# Altium PCB ESP32_Demo.PcbDoc (part 5 of 7)
Units mil, origin at the board's own origin, x right, y up, seen from the top; angles counter-clockwise.
Board outline 940.03 x 1085.03 mil, 4 copper layers (TOP1, GND02, MidLayer3, BOTTOM4); 39 components, 58 nets, 242 pads, 201 vias.
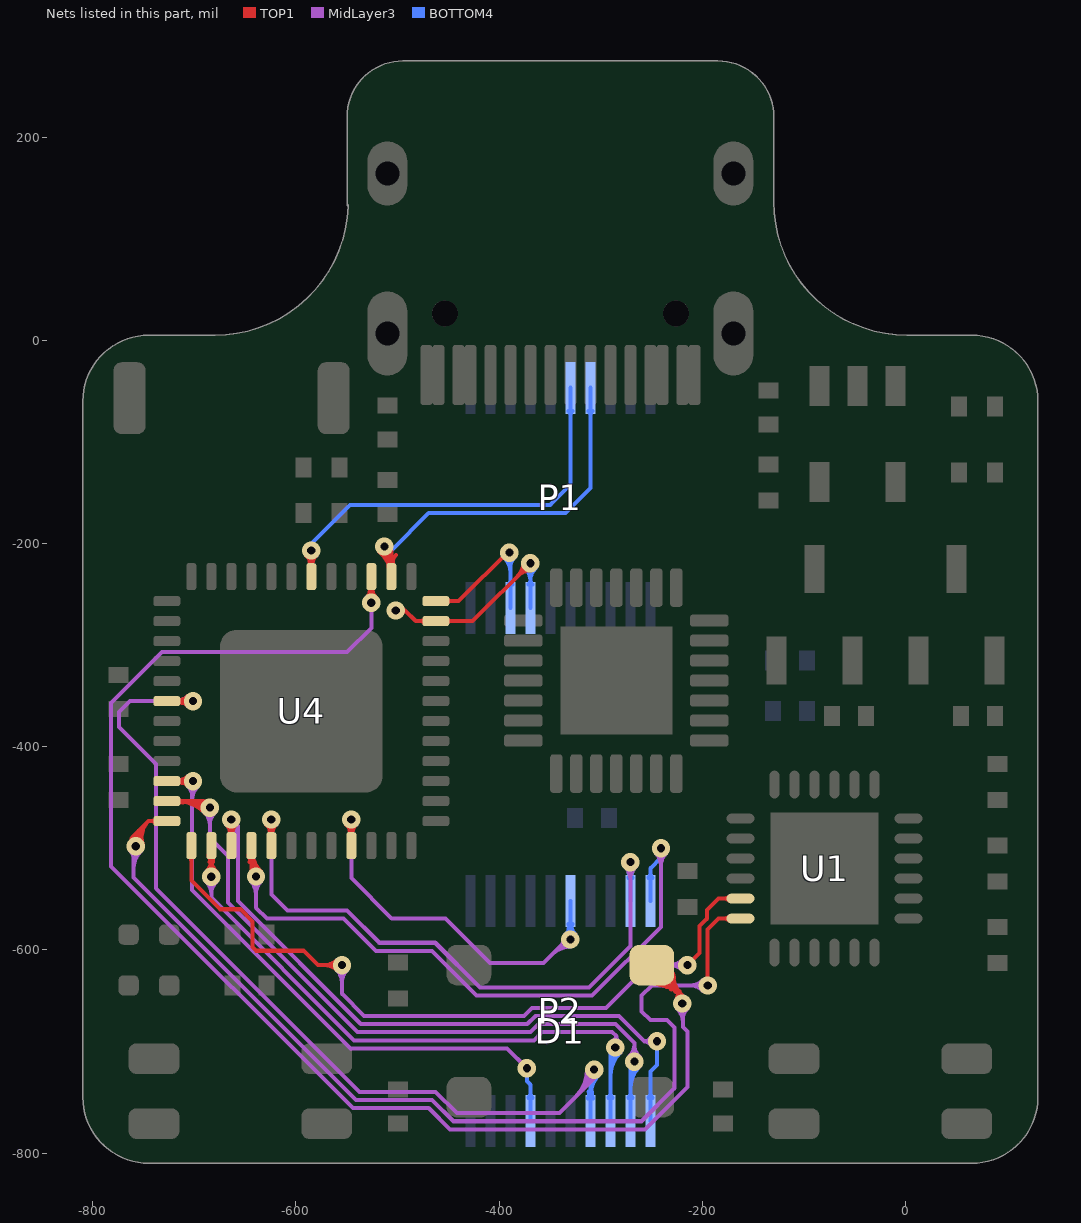
[diagram p7: the nets of this part, all layers, seen from the top]

## Via types
v1: diameter 18, hole 8, TOP1 to BOTTOM4, tented both sides, 201 vias

## Nets (pads, with @x,y where several pads share a name; then routed paths per layer and width w, separated by ;. In a path a pad name is that pad's centre, name@x,y a point inside that pad or via, vN(x,y) a via of type N, cw(c..) or ccw(c..) an arc to the next point about the centre after c; other vN are vias at no path point) (continued)
GPIO14: P2.19 U4.17 | length 907.2
  TOP1 w4: v1@-629.25,-476.54 cw(c-641.2,-488.49) -624.3,-488.49 cw(c-607.4,-488.49) v1@-619.35,-476.54 ; U4.17@-626.37,-486.95 ccw(c-631.35,-481.96) -624.3,-481.96 ccw(c-617.25,-481.96) U4.17@-622.23,-486.95 ; -625.91,-482.48 ccw(c-619.54,-480.78) U4.17@-622.84,-486.49 ; U4.17@-624.3,-497.38 v1(-624.3,-471.59) ; -622.69,-482.48 cw(c-629.06,-480.78) U4.17@-625.76,-486.49 ; U4.17@-625.76,-486.49 ccw(c-628.52,-481.7) -623.19,-483.13 ; U4.17@-625.76,-486.49 ccw(c-628.52,-481.7) -623.19,-483.13 ; U4.17@-625.76,-486.49 ccw(c-628.52,-481.7) -623.19,-483.13 ; U4.17@-625.76,-486.49 ccw(c-628.52,-481.7) -623.19,-483.13 ; U4.17@-625.76,-486.49 ccw(c-628.52,-481.7) -623.19,-483.13 ; U4.17@-625.76,-486.49 ccw(c-628.52,-481.7) -623.19,-483.13 ; U4.17@-625.76,-486.49 ccw(c-628.52,-481.7) -623.19,-483.13 ; U4.17@-625.76,-486.49 ccw(c-628.52,-481.7) -623.19,-483.13 ; U4.17@-625.76,-486.49 ccw(c-628.52,-481.7) -623.19,-483.13 ; -625.41,-483.13 ccw(c-620.08,-481.7) U4.17@-622.84,-486.49 ; -625.41,-483.13 ccw(c-620.08,-481.7) U4.17@-622.84,-486.49 ; -625.41,-483.13 ccw(c-620.08,-481.7) U4.17@-622.84,-486.49 ; -625.41,-483.13 ccw(c-620.08,-481.7) U4.17@-622.84,-486.49 ; -625.41,-483.13 ccw(c-620.08,-481.7) U4.17@-622.84,-486.49 ; -625.41,-483.13 ccw(c-620.08,-481.7) U4.17@-622.84,-486.49 ; -625.41,-483.13 ccw(c-620.08,-481.7) U4.17@-622.84,-486.49 ; -625.41,-483.13 ccw(c-620.08,-481.7) U4.17@-622.84,-486.49 ; -625.41,-483.13 ccw(c-620.08,-481.7) U4.17@-622.84,-486.49
  MidLayer3 w4: v1(-624.3,-471.59) -624.3,-545.47 -608.46,-561.31 -549.73,-561.31 -518.04,-593 -462.94,-593 -418.94,-637 -311.77,-637 -270.87,-596.1 v1(-270.87,-513.64) ; v1@-275.82,-518.59 cw(c-287.77,-530.54) -270.87,-530.54 cw(c-253.98,-530.54) v1@-265.92,-518.59
  BOTTOM4 w4: v1@-275.82,-518.59 cw(c-287.77,-530.54) -270.87,-530.54 cw(c-253.98,-530.54) v1@-265.92,-518.59 ; P2.19@-272.94,-529 ccw(c-277.93,-524.01) -270.87,-524.01 ccw(c-263.82,-524.01) P2.19@-268.81,-529 ; -272.49,-524.53 ccw(c-266.12,-522.82) P2.19@-269.41,-528.53 ; P2.19@-270.87,-551.73 v1(-270.87,-513.64) ; -269.26,-524.53 cw(c-275.63,-522.82) P2.19@-272.34,-528.53 ; P2.19@-272.34,-528.53 ccw(c-275.1,-523.75) -269.76,-525.18 ; P2.19@-272.34,-528.53 ccw(c-275.1,-523.75) -269.76,-525.18 ; P2.19@-272.34,-528.53 ccw(c-275.1,-523.75) -269.76,-525.18 ; P2.19@-272.34,-528.53 ccw(c-275.1,-523.75) -269.76,-525.18 ; P2.19@-272.34,-528.53 ccw(c-275.1,-523.75) -269.76,-525.18 ; P2.19@-272.34,-528.53 ccw(c-275.1,-523.75) -269.76,-525.18 ; P2.19@-272.34,-528.53 ccw(c-275.1,-523.75) -269.76,-525.18 ; P2.19@-272.34,-528.53 ccw(c-275.1,-523.75) -269.76,-525.18 ; P2.19@-272.34,-528.53 ccw(c-275.1,-523.75) -269.76,-525.18 ; -271.99,-525.18 ccw(c-266.65,-523.75) P2.19@-269.41,-528.53 ; -271.99,-525.18 ccw(c-266.65,-523.75) P2.19@-269.41,-528.53 ; -271.99,-525.18 ccw(c-266.65,-523.75) P2.19@-269.41,-528.53 ; -271.99,-525.18 ccw(c-266.65,-523.75) P2.19@-269.41,-528.53 ; -271.99,-525.18 ccw(c-266.65,-523.75) P2.19@-269.41,-528.53 ; -271.99,-525.18 ccw(c-266.65,-523.75) P2.19@-269.41,-528.53 ; -271.99,-525.18 ccw(c-266.65,-523.75) P2.19@-269.41,-528.53 ; -271.99,-525.18 ccw(c-266.65,-523.75) P2.19@-269.41,-528.53 ; -271.99,-525.18 ccw(c-266.65,-523.75) P2.19@-269.41,-528.53
GPIO15: P2.16 U4.21 | length 672.2
  TOP1 w4: v1@-550.51,-476.54 cw(c-562.46,-488.49) -545.56,-488.49 cw(c-528.66,-488.49) v1@-540.61,-476.54 ; U4.21@-547.63,-486.95 ccw(c-552.61,-481.96) -545.56,-481.96 ccw(c-538.51,-481.96) U4.21@-543.49,-486.95 ; -547.17,-482.48 ccw(c-540.8,-480.78) U4.21@-544.1,-486.49 ; U4.21@-545.56,-497.38 v1(-545.56,-471.59) ; -543.95,-482.48 cw(c-550.32,-480.78) U4.21@-547.02,-486.49 ; U4.21@-547.02,-486.49 ccw(c-549.78,-481.7) -544.45,-483.13 ; U4.21@-547.02,-486.49 ccw(c-549.78,-481.7) -544.45,-483.13 ; U4.21@-547.02,-486.49 ccw(c-549.78,-481.7) -544.45,-483.13 ; U4.21@-547.02,-486.49 ccw(c-549.78,-481.7) -544.45,-483.13 ; U4.21@-547.02,-486.49 ccw(c-549.78,-481.7) -544.45,-483.13 ; U4.21@-547.02,-486.49 ccw(c-549.78,-481.7) -544.45,-483.13 ; U4.21@-547.02,-486.49 ccw(c-549.78,-481.7) -544.45,-483.13 ; U4.21@-547.02,-486.49 ccw(c-549.78,-481.7) -544.45,-483.13 ; U4.21@-547.02,-486.49 ccw(c-549.78,-481.7) -544.45,-483.13 ; -546.67,-483.13 ccw(c-541.34,-481.7) U4.21@-544.1,-486.49 ; -546.67,-483.13 ccw(c-541.34,-481.7) U4.21@-544.1,-486.49 ; -546.67,-483.13 ccw(c-541.34,-481.7) U4.21@-544.1,-486.49 ; -546.67,-483.13 ccw(c-541.34,-481.7) U4.21@-544.1,-486.49 ; -546.67,-483.13 ccw(c-541.34,-481.7) U4.21@-544.1,-486.49 ; -546.67,-483.13 ccw(c-541.34,-481.7) U4.21@-544.1,-486.49 ; -546.67,-483.13 ccw(c-541.34,-481.7) U4.21@-544.1,-486.49 ; -546.67,-483.13 ccw(c-541.34,-481.7) U4.21@-544.1,-486.49 ; -546.67,-483.13 ccw(c-541.34,-481.7) U4.21@-544.1,-486.49
  MidLayer3 w4: v1(-545.56,-471.59) -545.56,-529.21 -505.77,-569 -453,-569 -409,-613 -356.46,-613 -333.28,-589.82 v1(-329.93,-589.82) ; -347.6,-604.14 cw(c-329.93,-621.81) v1@-329.93,-596.82 ; -340.77,-597.31 cw(c-329.93,-608.16) v1@-329.93,-592.82 ; -339.51,-596.05 ccw(c-345.74,-589.82) v1@-336.93,-589.82
  BOTTOM4 w4: v1@-334.88,-584.87 ccw(c-346.83,-572.92) -329.93,-572.92 ccw(c-313.03,-572.92) v1@-324.98,-584.87 ; P2.16@-332,-574.47 cw(c-336.98,-579.45) -329.93,-579.45 cw(c-322.88,-579.45) P2.16@-327.86,-574.47 ; -331.54,-578.93 cw(c-325.17,-580.64) P2.16@-328.47,-574.93 ; v1(-329.93,-589.82) P2.16@-329.93,-551.73 ; -328.32,-578.93 ccw(c-334.69,-580.64) P2.16@-331.39,-574.93 ; P2.16@-331.39,-574.93 cw(c-334.15,-579.72) -328.82,-578.29 ; P2.16@-331.39,-574.93 cw(c-334.15,-579.72) -328.82,-578.29 ; P2.16@-331.39,-574.93 cw(c-334.15,-579.72) -328.82,-578.29 ; P2.16@-331.39,-574.93 cw(c-334.15,-579.72) -328.82,-578.29 ; P2.16@-331.39,-574.93 cw(c-334.15,-579.72) -328.82,-578.29 ; P2.16@-331.39,-574.93 cw(c-334.15,-579.72) -328.82,-578.29 ; P2.16@-331.39,-574.93 cw(c-334.15,-579.72) -328.82,-578.29 ; P2.16@-331.39,-574.93 cw(c-334.15,-579.72) -328.82,-578.29 ; P2.16@-331.39,-574.93 cw(c-334.15,-579.72) -328.82,-578.29 ; -331.04,-578.29 cw(c-325.71,-579.72) P2.16@-328.47,-574.93 ; -331.04,-578.29 cw(c-325.71,-579.72) P2.16@-328.47,-574.93 ; -331.04,-578.29 cw(c-325.71,-579.72) P2.16@-328.47,-574.93 ; -331.04,-578.29 cw(c-325.71,-579.72) P2.16@-328.47,-574.93 ; -331.04,-578.29 cw(c-325.71,-579.72) P2.16@-328.47,-574.93 ; -331.04,-578.29 cw(c-325.71,-579.72) P2.16@-328.47,-574.93 ; -331.04,-578.29 cw(c-325.71,-579.72) P2.16@-328.47,-574.93 ; -331.04,-578.29 cw(c-325.71,-579.72) P2.16@-328.47,-574.93 ; -331.04,-578.29 cw(c-325.71,-579.72) P2.16@-328.47,-574.93
GPIO18: P1.7 U4.35 | length 463.6
  TOP1 w4: v1(-501.84,-266) -492.55,-266 ; v1@-495.12,-267.93 cw(c-492.55,-268.67) -492.55,-266 ; v1@-495.12,-264.07 ccw(c-492.55,-263.33) -492.55,-266 ; v1@-376.3,-219.53 cw(c-393.2,-219.53) -381.25,-231.48 cw(c-369.3,-243.43) v1@-369.3,-226.53 ; v1(-369.3,-219.53) -426.19,-276.42 U4.35@-462.39,-276.42 -482.13,-276.42 -492.55,-266 ; -477.81,-276.42 cw(c-477.81,-283.47) U4.35@-472.82,-278.48 ; -477.81,-276.42 ccw(c-477.81,-269.36) U4.35@-472.82,-274.35 ; -477.81,-276.42 cw(c-477.81,-283.47) U4.35@-472.82,-278.48 ; -477.81,-276.42 ccw(c-477.81,-269.36) U4.35@-472.82,-274.35 ; -477.81,-276.42 cw(c-477.81,-283.47) U4.35@-472.82,-278.48 ; -477.81,-276.42 ccw(c-477.81,-269.36) U4.35@-472.82,-274.35 ; -477.81,-276.42 cw(c-477.81,-283.47) U4.35@-472.82,-278.48 ; -477.81,-276.42 ccw(c-477.81,-269.36) U4.35@-472.82,-274.35 ; -477.81,-276.42 cw(c-477.81,-283.47) U4.35@-472.82,-278.48 ; -477.81,-276.42 ccw(c-477.81,-269.36) U4.35@-472.82,-274.35 ; -477.81,-276.42 ccw(c-477.81,-269.36) U4.35@-472.82,-274.35 ; -477.81,-276.42 cw(c-477.81,-283.47) U4.35@-472.82,-278.48 ; U4.35@-451.96,-278.48 cw(c-446.97,-283.47) -446.97,-276.42 ; U4.35@-451.96,-278.48 cw(c-446.97,-283.47) -446.97,-276.42 ; U4.35@-451.96,-278.48 cw(c-446.97,-283.47) -446.97,-276.42 ; U4.35@-451.96,-278.48 cw(c-446.97,-283.47) -446.97,-276.42 ; U4.35@-451.96,-278.48 cw(c-446.97,-283.47) -446.97,-276.42 ; U4.35@-451.96,-278.48 cw(c-446.97,-283.47) -446.97,-276.42 ; U4.35@-451.96,-274.35 ccw(c-446.97,-269.36) -446.97,-276.42 ; U4.35@-451.96,-274.35 ccw(c-446.97,-269.36) -446.97,-276.42 ; U4.35@-451.96,-274.35 ccw(c-446.97,-269.36) -446.97,-276.42 ; U4.35@-451.96,-274.35 ccw(c-446.97,-269.36) -446.97,-276.42 ; U4.35@-451.96,-274.35 ccw(c-446.97,-269.36) -446.97,-276.42 ; U4.35@-451.96,-274.35 ccw(c-446.97,-269.36) -446.97,-276.42
  BOTTOM4 w4: v1@-374.25,-224.48 cw(c-386.2,-236.43) -369.3,-236.43 cw(c-352.4,-236.43) v1@-364.35,-224.48 ; P1.7@-369.3,-263.27 v1(-369.3,-219.53) ; P1.7@-371.37,-240.53 ccw(c-376.35,-235.55) -369.3,-235.55 ; P1.7@-371.37,-240.53 ccw(c-376.35,-235.55) -369.3,-235.55 ; P1.7@-371.37,-240.53 ccw(c-376.35,-235.55) -369.3,-235.55 ; P1.7@-371.37,-240.53 ccw(c-376.35,-235.55) -369.3,-235.55 ; P1.7@-371.37,-240.53 ccw(c-376.35,-235.55) -369.3,-235.55 ; P1.7@-371.37,-240.53 ccw(c-376.35,-235.55) -369.3,-235.55 ; -369.3,-235.55 ccw(c-362.25,-235.55) P1.7@-367.23,-240.53 ; -369.3,-235.55 ccw(c-362.25,-235.55) P1.7@-367.23,-240.53 ; -369.3,-235.55 ccw(c-362.25,-235.55) P1.7@-367.23,-240.53 ; -369.3,-235.55 ccw(c-362.25,-235.55) P1.7@-367.23,-240.53 ; -369.3,-235.55 ccw(c-362.25,-235.55) P1.7@-367.23,-240.53 ; -369.3,-235.55 ccw(c-362.25,-235.55) P1.7@-367.23,-240.53
GPIO19: P1.17 U4.38 | length 842
  TOP1 w4: v1@-517.6,-208.27 cw(c-539.53,-233.39) U4.38@-506.19,-233.39 ; v1@-514.97,-205.26 cw(c-531.85,-224.59) U4.38@-506.19,-224.59 ; v1(-513,-203) -510.02,-203 -506.19,-206.83 U4.38@-506.19,-232.62 ; v1@-512.34,-202.25 cw(c-524.16,-215.79) -506.19,-215.79 ; -508.15,-217.26 ccw(c-501.05,-215.36) U4.38@-504.73,-221.72 ; -508.04,-217.66 cw(c-514.57,-219.41) U4.38@-508.72,-222.79 ; U4.38@-508.72,-222.79 ccw(c-516.15,-218.5) -507.86,-216.28 ; U4.38@-508.72,-222.79 ccw(c-516.15,-218.5) -507.86,-216.28 ; U4.38@-508.72,-222.79 ccw(c-516.15,-218.5) -507.86,-216.28 ; U4.38@-508.72,-222.79 ccw(c-516.15,-218.5) -507.86,-216.28 ; U4.38@-508.72,-222.79 ccw(c-516.15,-218.5) -507.86,-216.28 ; U4.38@-508.72,-222.79 ccw(c-516.15,-218.5) -507.86,-216.28 ; U4.38@-508.72,-222.79 ccw(c-516.15,-218.5) -507.86,-216.28 ; U4.38@-508.72,-222.79 ccw(c-516.15,-218.5) -507.86,-216.28 ; U4.38@-508.72,-222.79 ccw(c-516.15,-218.5) -507.86,-216.28 ; U4.38@-508.26,-222.19 ccw(c-513.24,-217.2) -506.19,-217.2 ; U4.38@-508.26,-222.19 ccw(c-513.24,-217.2) -506.19,-217.2 ; U4.38@-508.26,-222.19 ccw(c-513.24,-217.2) -506.19,-217.2 ; U4.38@-508.26,-222.19 ccw(c-513.24,-217.2) -506.19,-217.2 ; U4.38@-508.26,-222.19 ccw(c-513.24,-217.2) -506.19,-217.2 ; U4.38@-508.26,-222.19 ccw(c-513.24,-217.2) -506.19,-217.2 ; U4.38@-507.65,-221.72 ccw(c-510.41,-216.94) -505.08,-218.37 ; U4.38@-507.65,-221.72 ccw(c-510.41,-216.94) -505.08,-218.37 ; U4.38@-507.65,-221.72 ccw(c-510.41,-216.94) -505.08,-218.37 ; U4.38@-507.65,-221.72 ccw(c-510.41,-216.94) -505.08,-218.37 ; U4.38@-507.65,-221.72 ccw(c-510.41,-216.94) -505.08,-218.37 ; U4.38@-507.65,-221.72 ccw(c-510.41,-216.94) -505.08,-218.37 ; U4.38@-507.65,-221.72 ccw(c-510.41,-216.94) -505.08,-218.37 ; U4.38@-507.65,-221.72 ccw(c-510.41,-216.94) -505.08,-218.37 ; U4.38@-507.65,-221.72 ccw(c-510.41,-216.94) -505.08,-218.37 ; U4.38@-507.65,-221.72 ccw(c-510.41,-216.94) -505.08,-218.37 ; U4.38@-507.65,-221.72 ccw(c-510.41,-216.94) -505.08,-218.37 ; U4.38@-507.65,-221.72 ccw(c-510.41,-216.94) -505.08,-218.37 ; -507.3,-218.37 ccw(c-501.97,-216.94) U4.38@-504.73,-221.72 ; -507.3,-218.37 ccw(c-501.97,-216.94) U4.38@-504.73,-221.72 ; -507.3,-218.37 ccw(c-501.97,-216.94) U4.38@-504.73,-221.72 ; -507.3,-218.37 ccw(c-501.97,-216.94) U4.38@-504.73,-221.72 ; -507.3,-218.37 ccw(c-501.97,-216.94) U4.38@-504.73,-221.72 ; -507.3,-218.37 ccw(c-501.97,-216.94) U4.38@-504.73,-221.72 ; -507.3,-218.37 ccw(c-501.97,-216.94) U4.38@-504.73,-221.72 ; -507.3,-218.37 ccw(c-501.97,-216.94) U4.38@-504.73,-221.72 ; -507.3,-218.37 ccw(c-501.97,-216.94) U4.38@-504.73,-221.72 ; U4.38@-506.19,-222.52 cw(c-490.5,-222.52) -501.59,-211.43 ; U4.38@-506.19,-222.52 cw(c-490.5,-222.52) -501.59,-211.43 ; U4.38@-506.19,-222.52 cw(c-490.5,-222.52) -501.59,-211.43 ; -506.19,-217.2 ccw(c-499.14,-217.2) U4.38@-504.12,-222.19 ; -506.19,-217.2 ccw(c-499.14,-217.2) U4.38@-504.12,-222.19 ; -506.19,-217.2 ccw(c-499.14,-217.2) U4.38@-504.12,-222.19 ; -506.19,-217.2 ccw(c-499.14,-217.2) U4.38@-504.12,-222.19 ; -506.19,-217.2 ccw(c-499.14,-217.2) U4.38@-504.12,-222.19 ; -506.19,-217.2 ccw(c-499.14,-217.2) U4.38@-504.12,-222.19 ; -504.52,-216.28 ccw(c-496.23,-218.5) U4.38@-503.66,-222.79 ; -504.52,-216.28 ccw(c-496.23,-218.5) U4.38@-503.66,-222.79 ; -504.52,-216.28 ccw(c-496.23,-218.5) U4.38@-503.66,-222.79 ; -504.52,-216.28 ccw(c-496.23,-218.5) U4.38@-503.66,-222.79 ; -504.52,-216.28 ccw(c-496.23,-218.5) U4.38@-503.66,-222.79 ; -504.52,-216.28 ccw(c-496.23,-218.5) U4.38@-503.66,-222.79 ; -504.52,-216.28 ccw(c-496.23,-218.5) U4.38@-503.66,-222.79 ; -504.52,-216.28 ccw(c-496.23,-218.5) U4.38@-503.66,-222.79 ; -504.52,-216.28 ccw(c-496.23,-218.5) U4.38@-503.66,-222.79 ; -504.52,-216.28 ccw(c-496.23,-218.5) U4.38@-503.66,-222.79 ; -504.52,-216.28 ccw(c-496.23,-218.5) U4.38@-503.66,-222.79 ; -504.52,-216.28 ccw(c-496.23,-218.5) U4.38@-503.66,-222.79
  BOTTOM4 w4: v1(-513,-203) -510.02,-203 -506.19,-206.83 -469.36,-170 -334.77,-170 -310.24,-145.47 P1.17@-310.24,-46.73 ; P1.17@-312.31,-69.47 cw(c-317.3,-74.45) -310.24,-74.45 ; P1.17@-312.31,-69.47 cw(c-317.3,-74.45) -310.24,-74.45 ; P1.17@-312.31,-69.47 cw(c-317.3,-74.45) -310.24,-74.45 ; P1.17@-312.31,-69.47 cw(c-317.3,-74.45) -310.24,-74.45 ; P1.17@-312.31,-69.47 cw(c-317.3,-74.45) -310.24,-74.45 ; P1.17@-312.31,-69.47 cw(c-317.3,-74.45) -310.24,-74.45 ; -310.24,-74.45 cw(c-303.19,-74.45) P1.17@-308.18,-69.47 ; -310.24,-74.45 cw(c-303.19,-74.45) P1.17@-308.18,-69.47 ; -310.24,-74.45 cw(c-303.19,-74.45) P1.17@-308.18,-69.47 ; -310.24,-74.45 cw(c-303.19,-74.45) P1.17@-308.18,-69.47 ; -310.24,-74.45 cw(c-303.19,-74.45) P1.17@-308.18,-69.47 ; -310.24,-74.45 cw(c-303.19,-74.45) P1.17@-308.18,-69.47
GPIO21: P1.16 U4.42 | length 599.5
  TOP1 w4: v1@-589.88,-211.78 cw(c-601.83,-223.73) -584.93,-223.73 cw(c-568.03,-223.73) v1@-579.98,-211.78 ; U4.42@-587,-222.19 ccw(c-591.98,-217.2) -584.93,-217.2 ccw(c-577.88,-217.2) U4.42@-582.86,-222.19 ; -586.54,-217.72 ccw(c-580.17,-216.01) U4.42@-583.47,-221.72 ; U4.42@-584.93,-232.62 v1(-584.93,-206.83) ; -583.32,-217.72 cw(c-589.69,-216.01) U4.42@-586.39,-221.72 ; U4.42@-586.39,-221.72 ccw(c-589.15,-216.94) -583.82,-218.37 ; U4.42@-586.39,-221.72 ccw(c-589.15,-216.94) -583.82,-218.37 ; U4.42@-586.39,-221.72 ccw(c-589.15,-216.94) -583.82,-218.37 ; U4.42@-586.39,-221.72 ccw(c-589.15,-216.94) -583.82,-218.37 ; U4.42@-586.39,-221.72 ccw(c-589.15,-216.94) -583.82,-218.37 ; U4.42@-586.39,-221.72 ccw(c-589.15,-216.94) -583.82,-218.37 ; U4.42@-586.39,-221.72 ccw(c-589.15,-216.94) -583.82,-218.37 ; U4.42@-586.39,-221.72 ccw(c-589.15,-216.94) -583.82,-218.37 ; U4.42@-586.39,-221.72 ccw(c-589.15,-216.94) -583.82,-218.37 ; -586.04,-218.37 ccw(c-580.71,-216.94) U4.42@-583.47,-221.72 ; -586.04,-218.37 ccw(c-580.71,-216.94) U4.42@-583.47,-221.72 ; -586.04,-218.37 ccw(c-580.71,-216.94) U4.42@-583.47,-221.72 ; -586.04,-218.37 ccw(c-580.71,-216.94) U4.42@-583.47,-221.72 ; -586.04,-218.37 ccw(c-580.71,-216.94) U4.42@-583.47,-221.72 ; -586.04,-218.37 ccw(c-580.71,-216.94) U4.42@-583.47,-221.72 ; -586.04,-218.37 ccw(c-580.71,-216.94) U4.42@-583.47,-221.72 ; -586.04,-218.37 ccw(c-580.71,-216.94) U4.42@-583.47,-221.72 ; -586.04,-218.37 ccw(c-580.71,-216.94) U4.42@-583.47,-221.72
  BOTTOM4 w4: v1(-584.93,-206.83) -584.93,-200.16 -546.77,-162 -349.77,-162 -329.93,-142.16 P1.16@-329.93,-46.73 ; P1.16@-332,-69.47 cw(c-336.98,-74.45) -329.93,-74.45 ; P1.16@-332,-69.47 cw(c-336.98,-74.45) -329.93,-74.45 ; P1.16@-332,-69.47 cw(c-336.98,-74.45) -329.93,-74.45 ; P1.16@-332,-69.47 cw(c-336.98,-74.45) -329.93,-74.45 ; P1.16@-332,-69.47 cw(c-336.98,-74.45) -329.93,-74.45 ; P1.16@-332,-69.47 cw(c-336.98,-74.45) -329.93,-74.45 ; -329.93,-74.45 cw(c-322.88,-74.45) P1.16@-327.86,-69.47 ; -329.93,-74.45 cw(c-322.88,-74.45) P1.16@-327.86,-69.47 ; -329.93,-74.45 cw(c-322.88,-74.45) P1.16@-327.86,-69.47 ; -329.93,-74.45 cw(c-322.88,-74.45) P1.16@-327.86,-69.47 ; -329.93,-74.45 cw(c-322.88,-74.45) P1.16@-327.86,-69.47 ; -329.93,-74.45 cw(c-322.88,-74.45) P1.16@-327.86,-69.47
GPIO22: D1.4 U4.39 | length 2165.9
  TOP1 w4: v1@-530.82,-253.46 ccw(c-542.77,-241.51) -525.87,-241.51 ccw(c-508.98,-241.51) v1@-520.92,-253.46 ; U4.39@-527.94,-243.05 cw(c-532.93,-248.04) -525.87,-248.04 cw(c-518.82,-248.04) U4.39@-523.81,-243.05 ; -527.49,-247.52 cw(c-521.12,-249.22) U4.39@-524.41,-243.51 ; v1(-525.87,-258.41) U4.39@-525.87,-232.62 ; -524.26,-247.52 ccw(c-530.63,-249.22) U4.39@-527.34,-243.51 ; D1.4@-257.64,-616.61 ccw(c-235.4,-612.98) D1.4@-241.23,-634.75 ; D1.4@-253.69,-615.97 ccw(c-228.69,-611.89) -235.25,-636.36 ; D1.4@-249.77,-615 v1@-219.77,-645 ; D1.4@-249.75,-615.32 ccw(c-221.99,-610.8) -229.27,-637.96 ; D1.4@-247.97,-629 cw(c-248.33,-654.88) -226.07,-641.67 ; D1.4@-247.91,-625 cw(c-248.21,-646.5) -229.72,-635.53 ; D1.4@-247.82,-629 cw(c-247.89,-648.91) -230.64,-638.96 ; D1.4@-247.81,-625 cw(c-247.86,-640.86) D1.4@-234.12,-632.93 ; D1.4@-247.77,-633 cw(c-247.77,-671.63) v1@-220.46,-644.31 ; D1.4@-244.8,-609.79 cw(c-263.01,-641.72) -226.74,-635.75 ; D1.4@-242.82,-606.31 cw(c-257.66,-632.33) D1.4@-228.1,-627.47 ; D1.4@-241.89,-632.01 cw(c-238.34,-642.27) -229.01,-636.73 cw(c-212.4,-626.87) D1.4@-230.71,-620.73 ; D1.4@-240.79,-607.84 cw(c-265.39,-633.05) -230.17,-632.62 ; D1.4@-234.27,-618.7 ccw(c-211.58,-624.92) -231.96,-636.68 ; D1.4@-230.33,-619.45 ccw(c-204.92,-625.93) -227.47,-639.32 ; D1.4@-229.86,-616.78 ccw(c-195.01,-620.23) v1@-219.77,-645 ; -227.71,-639.14 cw(c-235.07,-649.44) v1@-222.7,-652.16 ; -226.36,-635.14 cw(c-237.6,-642.65) v1@-225.86,-649.34 ; -222.78,-642.66 cw(c-228.63,-650.85) v1@-218.8,-653.02 ; -222.77,-640.52 cw(c-231.31,-646.23) v1@-222.38,-651.32 ; v1(-219.77,-652.8) v1@-219.77,-645 ; U4.39@-527.34,-243.51 cw(c-530.1,-248.3) -524.76,-246.87 ; U4.39@-527.34,-243.51 cw(c-530.1,-248.3) -524.76,-246.87 ; U4.39@-527.34,-243.51 cw(c-530.1,-248.3) -524.76,-246.87 ; U4.39@-527.34,-243.51 cw(c-530.1,-248.3) -524.76,-246.87 ; U4.39@-527.34,-243.51 cw(c-530.1,-248.3) -524.76,-246.87 ; U4.39@-527.34,-243.51 cw(c-530.1,-248.3) -524.76,-246.87 ; U4.39@-527.34,-243.51 cw(c-530.1,-248.3) -524.76,-246.87 ; U4.39@-527.34,-243.51 cw(c-530.1,-248.3) -524.76,-246.87 ; U4.39@-527.34,-243.51 cw(c-530.1,-248.3) -524.76,-246.87 ; -526.99,-246.87 cw(c-521.65,-248.3) U4.39@-524.41,-243.51 ; -526.99,-246.87 cw(c-521.65,-248.3) U4.39@-524.41,-243.51 ; -526.99,-246.87 cw(c-521.65,-248.3) U4.39@-524.41,-243.51 ; -526.99,-246.87 cw(c-521.65,-248.3) U4.39@-524.41,-243.51 ; -526.99,-246.87 cw(c-521.65,-248.3) U4.39@-524.41,-243.51 ; -526.99,-246.87 cw(c-521.65,-248.3) U4.39@-524.41,-243.51 ; -526.99,-246.87 cw(c-521.65,-248.3) U4.39@-524.41,-243.51 ; -526.99,-246.87 cw(c-521.65,-248.3) U4.39@-524.41,-243.51 ; -526.99,-246.87 cw(c-521.65,-248.3) U4.39@-524.41,-243.51 ; D1.4@-247.77,-629 cw(c-247.77,-657.97) -227.29,-637.49 ; D1.4@-247.77,-629 cw(c-247.77,-657.97) -227.29,-637.49 ; D1.4@-247.77,-629 cw(c-247.77,-657.97) -227.29,-637.49 ; D1.4@-247.77,-625 cw(c-247.77,-644.31) D1.4@-234.12,-630.66 ; D1.4@-247.77,-625 cw(c-247.77,-644.31) D1.4@-234.12,-630.66 ; D1.4@-247.77,-625 cw(c-247.77,-644.31) D1.4@-234.12,-630.66 ; D1.4@-237.82,-615.99 ccw(c-216.75,-618.08) -231.72,-633.05 ; D1.4@-237.82,-615.99 ccw(c-216.75,-618.08) -231.72,-633.05 ; D1.4@-237.82,-615.99 ccw(c-216.75,-618.08) -231.72,-633.05 ; D1.4@-233.84,-616.38 ccw(c-205.88,-619.16) -225.75,-639.02 ; D1.4@-233.84,-616.38 ccw(c-205.88,-619.16) -225.75,-639.02 ; D1.4@-233.84,-616.38 ccw(c-205.88,-619.16) -225.75,-639.02
  MidLayer3 w4: v1(-525.87,-258.41) -525.87,-283.1 -549.77,-307 -731.77,-307 -782,-357.23 -782,-517.77 -544.1,-755.68 -469.35,-755.68 -448.35,-776.68 -256.45,-776.68 -214.77,-735 -214.77,-680.51 -219.27,-676.01 -219.27,-653.3 v1(-219.77,-652.8) ; v1@-224.72,-657.75 cw(c-237.88,-670.91) -219.27,-670.91 ; -219.27,-668.49 cw(c-204.08,-668.49) v1@-214.82,-657.75
GPIO23: P1.8 U4.36 | length 324.3
  TOP1 w4: U4.36@-462.39,-256.73 -439.93,-256.73 -390,-206.8 v1(-390,-209) ; U4.36@-451.96,-258.8 cw(c-446.97,-263.78) -446.97,-256.73 ; U4.36@-451.96,-258.8 cw(c-446.97,-263.78) -446.97,-256.73 ; U4.36@-451.96,-258.8 cw(c-446.97,-263.78) -446.97,-256.73 ; U4.36@-451.96,-258.8 cw(c-446.97,-263.78) -446.97,-256.73 ; U4.36@-451.96,-258.8 cw(c-446.97,-263.78) -446.97,-256.73 ; U4.36@-451.96,-258.8 cw(c-446.97,-263.78) -446.97,-256.73 ; U4.36@-451.96,-254.67 ccw(c-446.97,-249.68) -446.97,-256.73 ; U4.36@-451.96,-254.67 ccw(c-446.97,-249.68) -446.97,-256.73 ; U4.36@-451.96,-254.67 ccw(c-446.97,-249.68) -446.97,-256.73 ; U4.36@-451.96,-254.67 ccw(c-446.97,-249.68) -446.97,-256.73 ; U4.36@-451.96,-254.67 ccw(c-446.97,-249.68) -446.97,-256.73 ; U4.36@-451.96,-254.67 ccw(c-446.97,-249.68) -446.97,-256.73
  BOTTOM4 w4: v1@-394.95,-213.95 cw(c-409.35,-228.35) -388.98,-228.35 ; v1@-392.12,-211.12 cw(c-399.69,-218.69) -388.98,-218.69 ; v1(-390,-209) -390,-206.8 -388.98,-205.79 P1.8@-388.98,-263.27 ; -388.98,-223.45 cw(c-375.55,-223.45) v1@-385.05,-213.95 ; P1.8@-391.05,-240.53 ccw(c-396.04,-235.55) -388.98,-235.55 ; P1.8@-391.05,-240.53 ccw(c-396.04,-235.55) -388.98,-235.55 ; P1.8@-391.05,-240.53 ccw(c-396.04,-235.55) -388.98,-235.55 ; P1.8@-391.05,-240.53 ccw(c-396.04,-235.55) -388.98,-235.55 ; P1.8@-391.05,-240.53 ccw(c-396.04,-235.55) -388.98,-235.55 ; P1.8@-391.05,-240.53 ccw(c-396.04,-235.55) -388.98,-235.55 ; -388.98,-235.55 ccw(c-381.93,-235.55) P1.8@-386.92,-240.53 ; -388.98,-235.55 ccw(c-381.93,-235.55) P1.8@-386.92,-240.53 ; -388.98,-235.55 ccw(c-381.93,-235.55) P1.8@-386.92,-240.53 ; -388.98,-235.55 ccw(c-381.93,-235.55) P1.8@-386.92,-240.53 ; -388.98,-235.55 ccw(c-381.93,-235.55) P1.8@-386.92,-240.53 ; -388.98,-235.55 ccw(c-381.93,-235.55) P1.8@-386.92,-240.53
GPIO25: P2.3 U4.14 | length 1051.4
  TOP1 w4: v1@-688.3,-523.05 ccw(c-700.25,-511.1) -683.36,-511.1 ccw(c-666.46,-511.1) v1@-678.41,-523.05 ; v1(-683.36,-528) U4.14@-683.36,-497.38 ; U4.14@-685.88,-507.21 cw(c-693.32,-511.5) -685.03,-513.72 ; U4.14@-685.88,-507.21 cw(c-693.32,-511.5) -685.03,-513.72 ; U4.14@-685.88,-507.21 cw(c-693.32,-511.5) -685.03,-513.72 ; U4.14@-685.88,-507.21 cw(c-693.32,-511.5) -685.03,-513.72 ; U4.14@-685.88,-507.21 cw(c-693.32,-511.5) -685.03,-513.72 ; U4.14@-685.88,-507.21 cw(c-693.32,-511.5) -685.03,-513.72 ; U4.14@-685.88,-507.21 cw(c-693.32,-511.5) -685.03,-513.72 ; U4.14@-685.88,-507.21 cw(c-693.32,-511.5) -685.03,-513.72 ; U4.14@-685.88,-507.21 cw(c-693.32,-511.5) -685.03,-513.72 ; U4.14@-685.42,-507.81 cw(c-690.41,-512.8) -683.36,-512.8 ; U4.14@-685.42,-507.81 cw(c-690.41,-512.8) -683.36,-512.8 ; U4.14@-685.42,-507.81 cw(c-690.41,-512.8) -683.36,-512.8 ; U4.14@-685.42,-507.81 cw(c-690.41,-512.8) -683.36,-512.8 ; U4.14@-685.42,-507.81 cw(c-690.41,-512.8) -683.36,-512.8 ; U4.14@-685.42,-507.81 cw(c-690.41,-512.8) -683.36,-512.8 ; U4.14@-684.82,-508.28 cw(c-687.58,-513.06) -682.24,-511.63 ; U4.14@-684.82,-508.28 cw(c-687.58,-513.06) -682.24,-511.63 ; U4.14@-684.82,-508.28 cw(c-687.58,-513.06) -682.24,-511.63 ; U4.14@-684.82,-508.28 cw(c-687.58,-513.06) -682.24,-511.63 ; U4.14@-684.82,-508.28 cw(c-687.58,-513.06) -682.24,-511.63 ; U4.14@-684.82,-508.28 cw(c-687.58,-513.06) -682.24,-511.63 ; U4.14@-684.82,-508.28 cw(c-687.58,-513.06) -682.24,-511.63 ; U4.14@-684.82,-508.28 cw(c-687.58,-513.06) -682.24,-511.63 ; U4.14@-684.82,-508.28 cw(c-687.58,-513.06) -682.24,-511.63 ; -684.47,-511.63 cw(c-679.13,-513.06) U4.14@-681.89,-508.28 ; -684.47,-511.63 cw(c-679.13,-513.06) U4.14@-681.89,-508.28 ; -684.47,-511.63 cw(c-679.13,-513.06) U4.14@-681.89,-508.28 ; -684.47,-511.63 cw(c-679.13,-513.06) U4.14@-681.89,-508.28 ; -684.47,-511.63 cw(c-679.13,-513.06) U4.14@-681.89,-508.28 ; -684.47,-511.63 cw(c-679.13,-513.06) U4.14@-681.89,-508.28 ; -684.47,-511.63 cw(c-679.13,-513.06) U4.14@-681.89,-508.28 ; -684.47,-511.63 cw(c-679.13,-513.06) U4.14@-681.89,-508.28 ; -684.47,-511.63 cw(c-679.13,-513.06) U4.14@-681.89,-508.28 ; -683.36,-512.8 cw(c-676.3,-512.8) U4.14@-681.29,-507.81 ; -683.36,-512.8 cw(c-676.3,-512.8) U4.14@-681.29,-507.81 ; -683.36,-512.8 cw(c-676.3,-512.8) U4.14@-681.29,-507.81 ; -683.36,-512.8 cw(c-676.3,-512.8) U4.14@-681.29,-507.81 ; -683.36,-512.8 cw(c-676.3,-512.8) U4.14@-681.29,-507.81 ; -683.36,-512.8 cw(c-676.3,-512.8) U4.14@-681.29,-507.81 ; -681.68,-513.72 cw(c-673.39,-511.5) U4.14@-680.83,-507.21 ; -681.68,-513.72 cw(c-673.39,-511.5) U4.14@-680.83,-507.21 ; -681.68,-513.72 cw(c-673.39,-511.5) U4.14@-680.83,-507.21 ; -681.68,-513.72 cw(c-673.39,-511.5) U4.14@-680.83,-507.21 ; -681.68,-513.72 cw(c-673.39,-511.5) U4.14@-680.83,-507.21 ; -681.68,-513.72 cw(c-673.39,-511.5) U4.14@-680.83,-507.21 ; -681.68,-513.72 cw(c-673.39,-511.5) U4.14@-680.83,-507.21 ; -681.68,-513.72 cw(c-673.39,-511.5) U4.14@-680.83,-507.21 ; -681.68,-513.72 cw(c-673.39,-511.5) U4.14@-680.83,-507.21